# Altium PCB VALVEBOARD_Kun.PcbDoc (part 1 of 13)
Units mil, origin at the board's own origin, x right, y up, seen from the top; angles counter-clockwise.
Board outline 10923.41 x 5583.88 mil, 2 copper layers (Top Layer, Bottom Layer), stack 10.8 mil thick; 1127 components, 626 nets, 3503 pads, 1418 vias.
Unrouted connection lines stored in the file: 1.
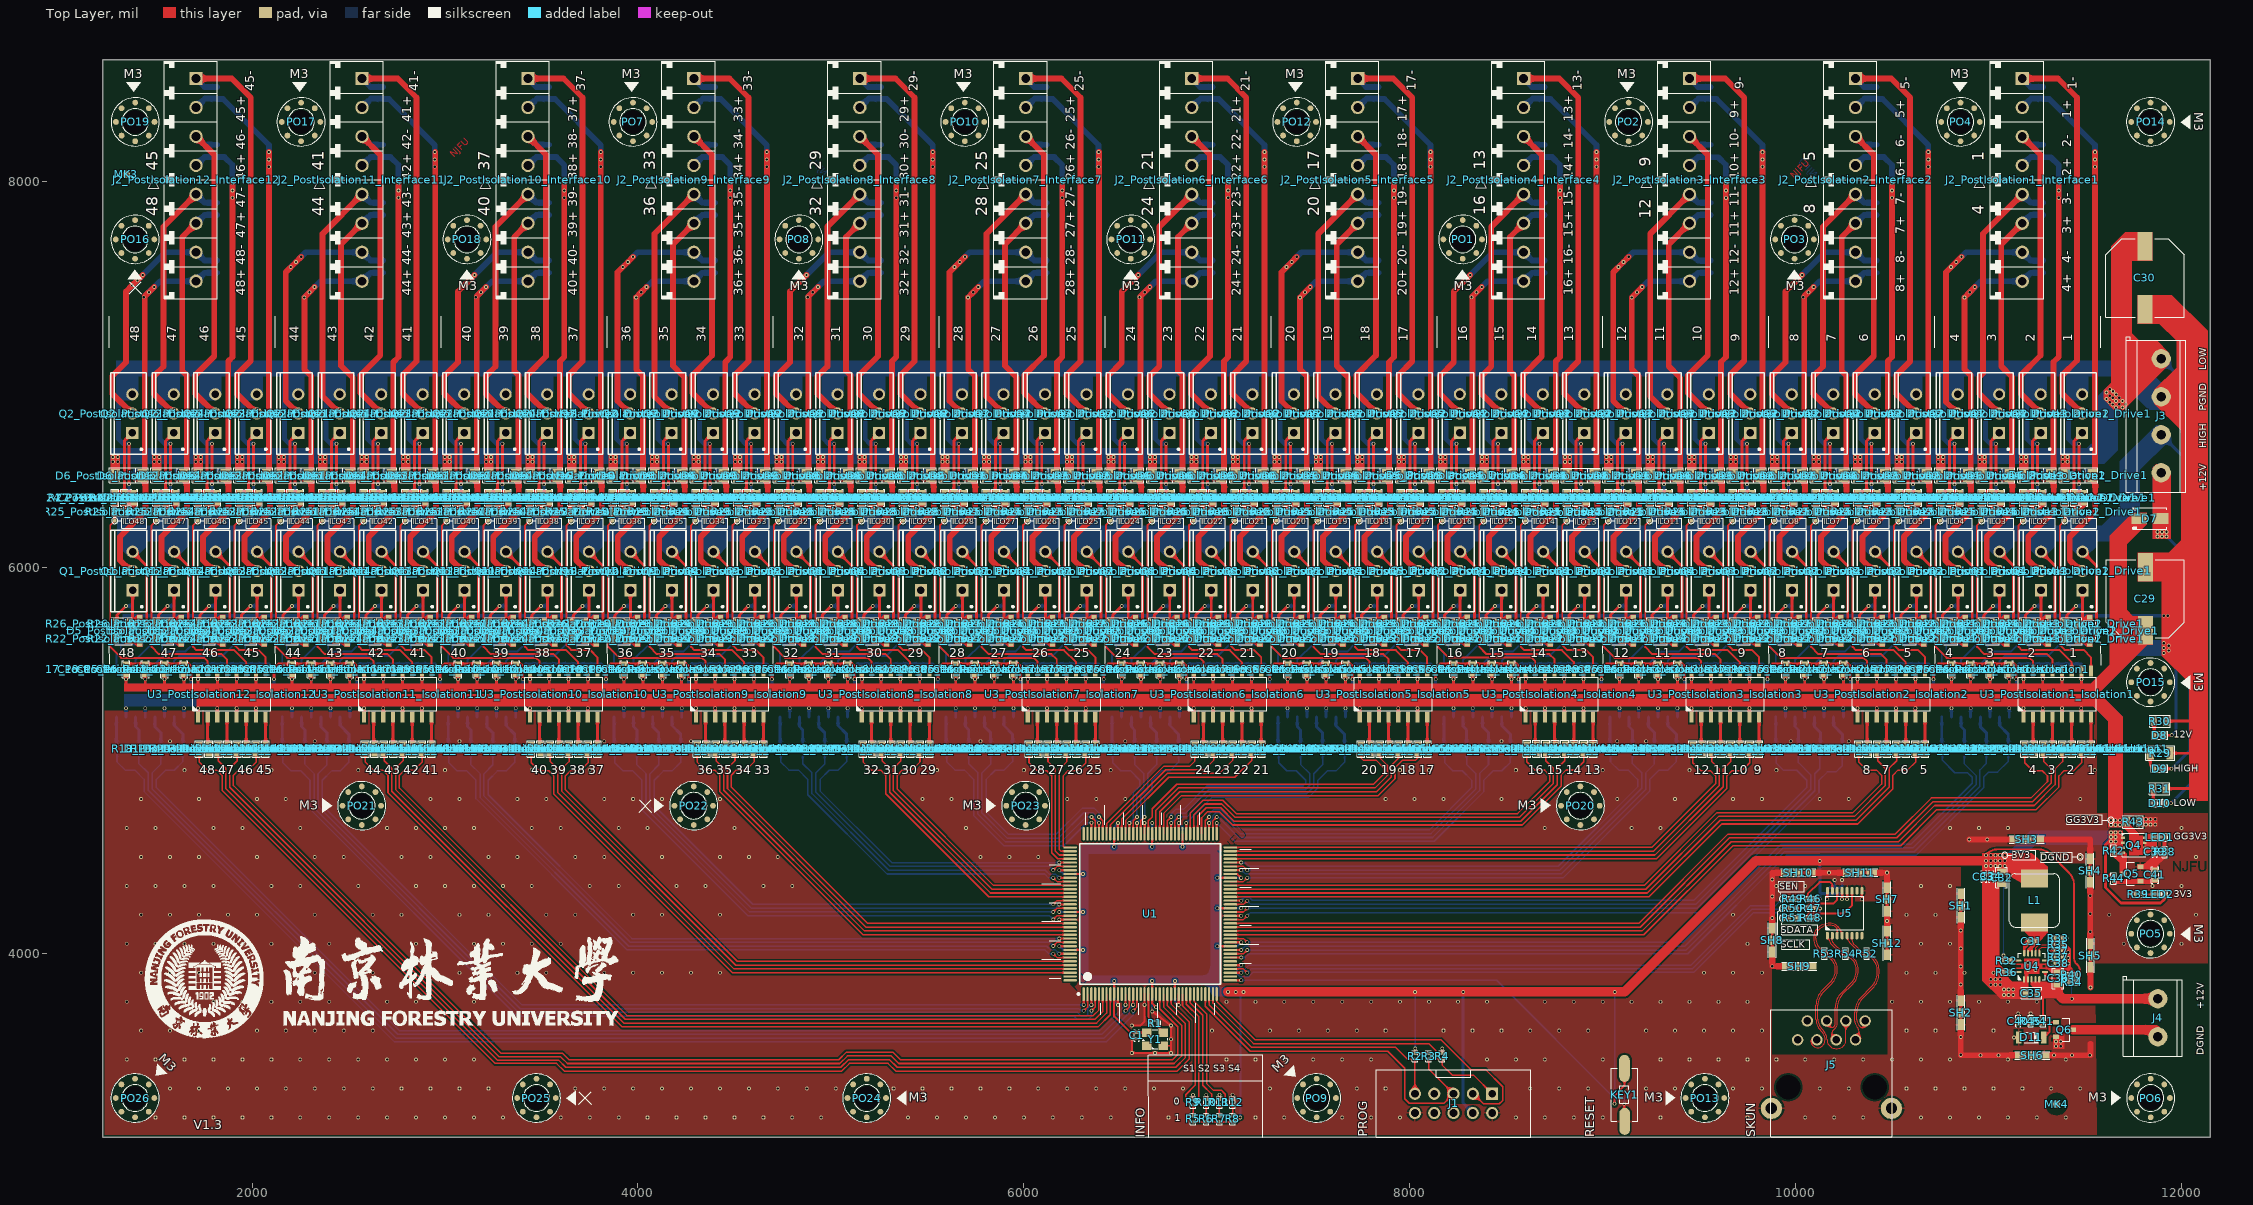
[diagram p0: Top Layer view]
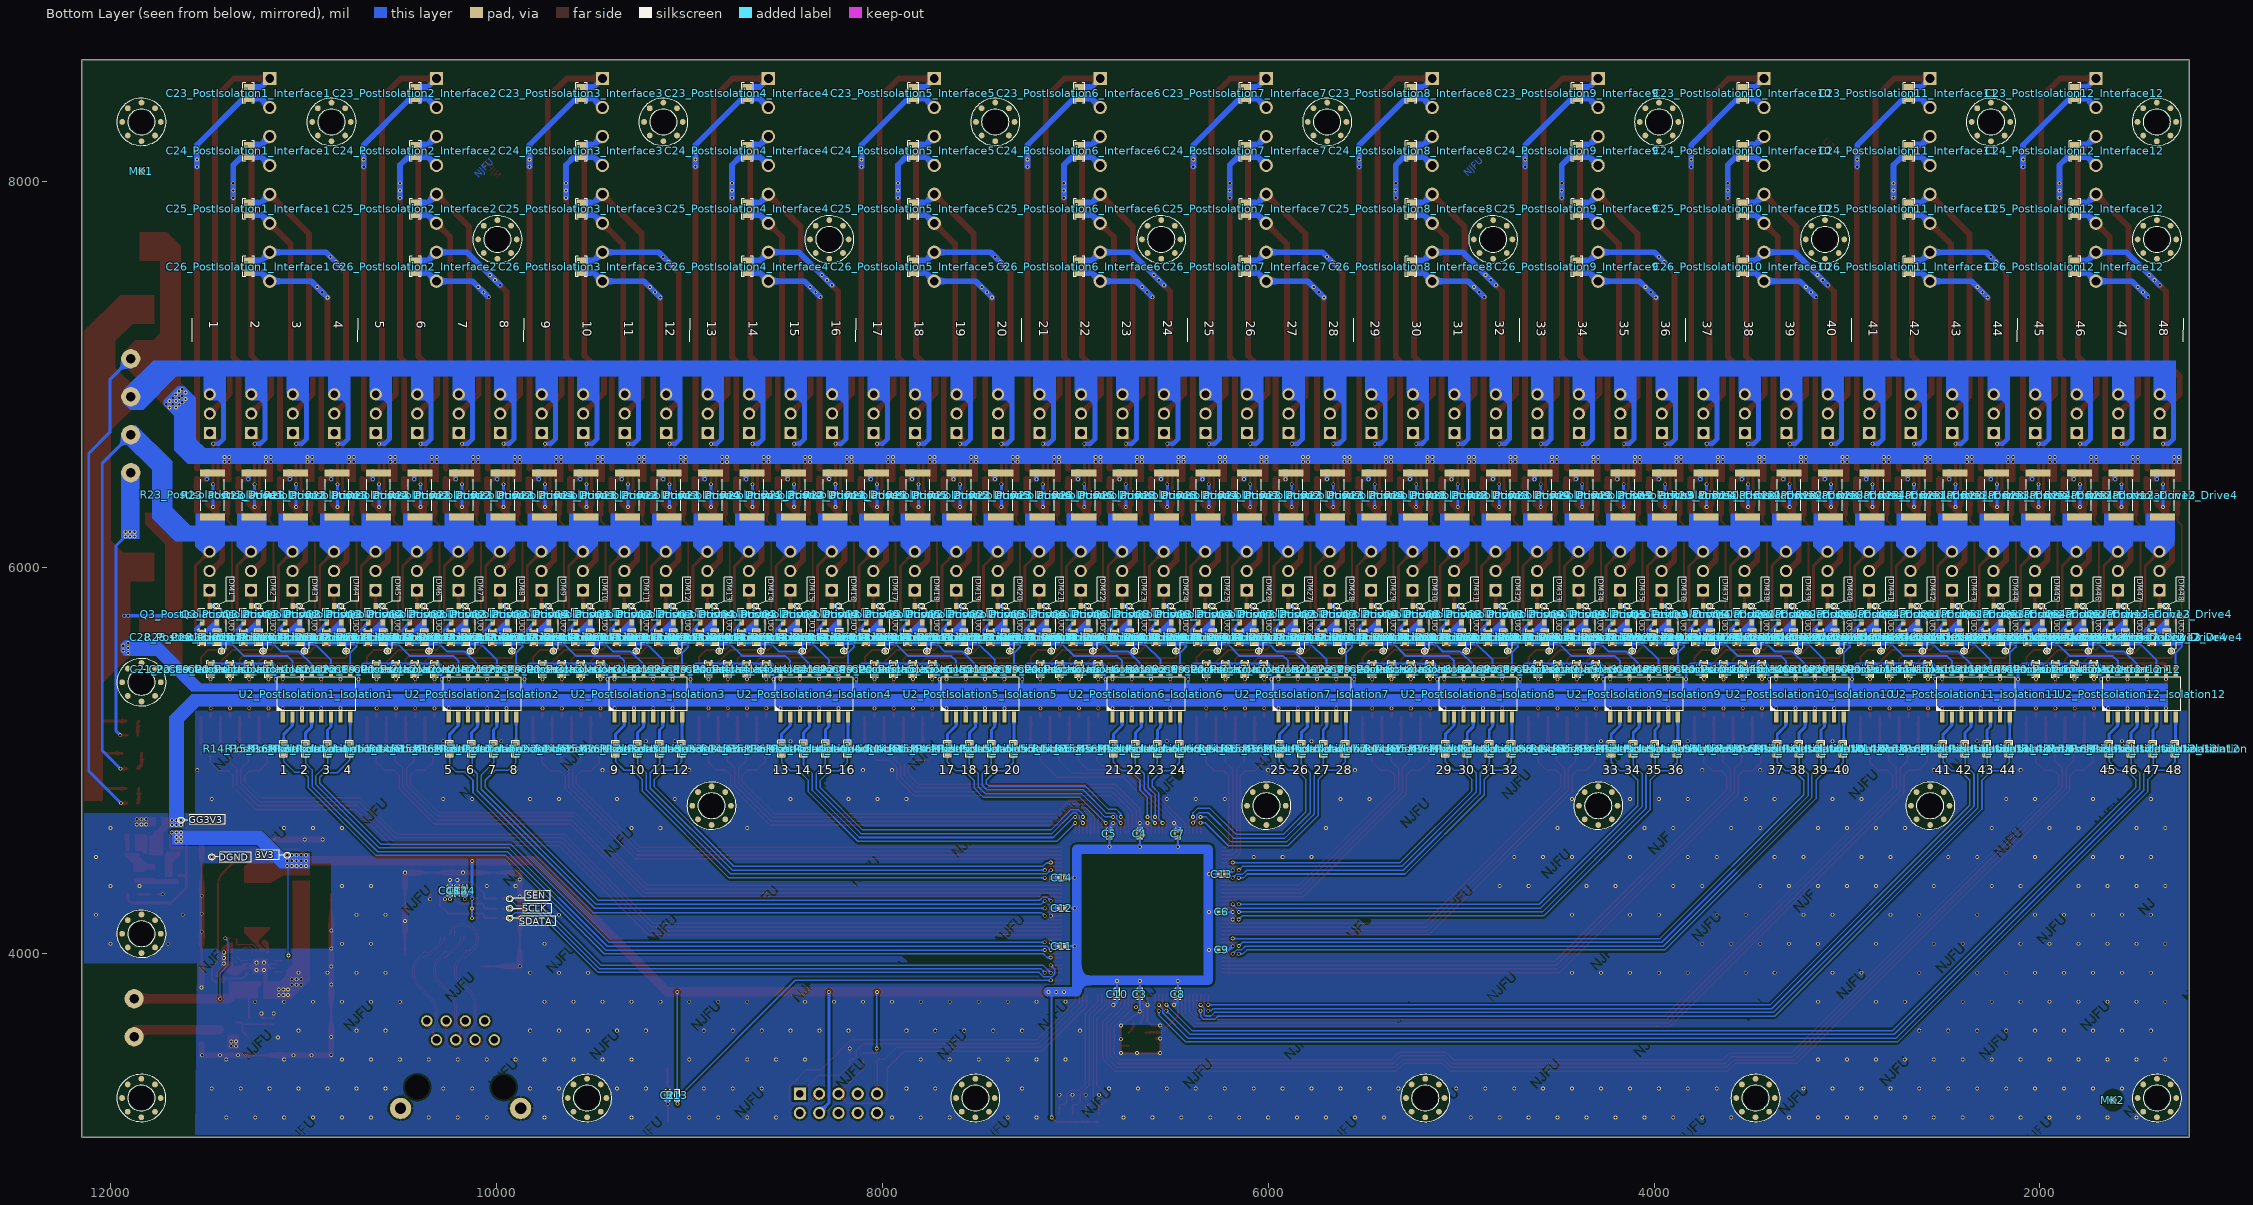
[diagram p1: Bottom Layer view, seen from below]

## Layer stack, top to bottom
Top Solder: solder mask 0.4, Solder Resist, Dk 3.5
Top Layer: signal copper 1.4
Core: core 8, Core-025, Dk 4.6
Bottom Layer: signal copper 1.4
Bottom Solder: solder mask 0.4, Solder Resist, Dk 3.5

## Board outline
1225.2,3047.69 1225.2,8631.57 12148.61,8631.57 12148.61,3047.69

## Design rules (kind name [scope] priority, off if disabled: settings)
BoardOutlineClearance [(OnLayer('Bottom Layer') OR OnLayer('Top Layer')) AND (IsTrack or IsArc or IsPoly or IsPolygon or IsVia)] p1: gap=11.81 ignorepadtopadclearanceinfootprint=FALSE
Clearance [All] p1: gap=5 ignorepadtopadclearanceinfootprint=TRUE except(10: Arc-Poly Track-Poly SMDPad-Poly THPad-Poly Via-Poly Fill-Poly Poly-Poly)
ComponentClearance [All] p1 off: gap=10 collisioncheckmode=3 verticalgap=10 showdistances=FALSE
DiffPairsRouting [All] p1: maxlimit=10 minlimit=5 mostfreqgap=5 toplayer_minwidth=5 toplayer_maxwidth=5 toplayer_prefwidth=5 bottomlayer_minwidth=5 bottomlayer_maxwidth=5 bottomlayer_prefwidth=5 maxuncoupledlength=500
HoleSize [All] p1: absolutevalues=TRUE maxlimit=248.03 minlimit=11.81 maxpercent=80.000 minpercent=20.000
HoleToHoleClearance [All] p1 off: gap=10 allowstackedmicrovias=TRUE
MinimumSolderMaskSliver [All] p1: minsoldermaskwidth=3.94
PolygonConnect [All] p1: thpad.connectstyle=Relief thpad.reliefconductorwidth=10 thpad.reliefentries=4 thpad.polygonreliefangle="90 Angle" thpad.airgapwidth=10 smdpad.connectstyle=Relief smdpad.reliefconductorwidth=10 smdpad.reliefentries=4 smdpad.polygonreliefangle="90 Angle" smdpad.airgapwidth=10 via.connectstyle=Direct via.reliefconductorwidth=10 via.reliefentries=4 via.polygonreliefangle="90 Angle" via.airgapwidth=10
RoomDefinition ValvePower [InComponentClass('ValvePower')] p1 off: confinementstyle=ConfineIn formatcopy=TRUE lockcomponents=FALSE outline 11598.58,4748.25 12144.83,4748.25 12144.83,7752.22 11598.58,7752.22
RoomDefinition PostIsolation3_Isolation3 [InComponentClass('PostIsolation3_Isolation3')] p2 off: confinementstyle=ConfineIn formatcopy=TRUE lockcomponents=FALSE outline 8998.77,5013.29 9849.15,5013.29 9849.15,5585.32 8998.77,5585.32
RoomDefinition PostIsolation12_Interface12 [InComponentClass('PostIsolation12_Interface12')] p3 off: confinementstyle=ConfineIn formatcopy=TRUE lockcomponents=FALSE outline 2108.34,7008.45 2108.34,8631.57 1258.28,8631.57 1258.28,7008.45
RoomDefinition PostIsolation12_Drive4 [InComponentClass('PostIsolation12_Drive4')] p4 off: confinementstyle=ConfineIn formatcopy=TRUE lockcomponents=FALSE outline 1462.74,5585.3 1462.74,7008.45 1258.28,7008.45 1258.28,5585.3
RoomDefinition PostIsolation11_Drive1 [InComponentClass('PostIsolation11_Drive1')] p5 off: confinementstyle=ConfineIn formatcopy=TRUE lockcomponents=FALSE outline 2967.84,5585.3 2967.84,7008.45 2763.38,7008.45 2763.38,5585.3
RoomDefinition PostIsolation2_Drive4 [InComponentClass('PostIsolation2_Drive4')] p6 off: confinementstyle=ConfineIn formatcopy=TRUE lockcomponents=FALSE outline 10063.35,5585.3 10063.35,7008.45 9858.88,7008.45 9858.88,5585.3
RoomDefinition PostIsolation1_Drive2 [InComponentClass('PostIsolation1_Drive2')] p7 off: confinementstyle=ConfineIn formatcopy=TRUE lockcomponents=FALSE outline 11353.44,5585.3 11353.44,7008.45 11148.98,7008.45 11148.98,5585.3
RoomDefinition PostIsolation1_Drive3 [InComponentClass('PostIsolation1_Drive3')] p8 off: confinementstyle=ConfineIn formatcopy=TRUE lockcomponents=FALSE outline 11138.29,5585.3 11138.29,7008.45 10933.83,7008.45 10933.83,5585.3
RoomDefinition PostIsolation1_Drive4 [InComponentClass('PostIsolation1_Drive4')] p9 off: confinementstyle=ConfineIn formatcopy=TRUE lockcomponents=FALSE outline 10923.51,5585.3 10923.51,7008.45 10719.05,7008.45 10719.05,5585.3
RoomDefinition PostIsolation2_Drive3 [InComponentClass('PostIsolation2_Drive3')] p10 off: confinementstyle=ConfineIn formatcopy=TRUE lockcomponents=FALSE outline 10278.36,5585.3 10278.36,7008.45 10073.9,7008.45 10073.9,5585.3
RoomDefinition PostIsolation2_Drive2 [InComponentClass('PostIsolation2_Drive2')] p11 off: confinementstyle=ConfineIn formatcopy=TRUE lockcomponents=FALSE outline 10493.38,5585.3 10493.38,7008.45 10288.91,7008.45 10288.91,5585.3
RoomDefinition PostIsolation2_Drive1 [InComponentClass('PostIsolation2_Drive1')] p12 off: confinementstyle=ConfineIn formatcopy=TRUE lockcomponents=FALSE outline 10708.39,5585.3 10708.39,7008.45 10503.93,7008.45 10503.93,5585.3
RoomDefinition PostIsolation3_Drive1 [InComponentClass('PostIsolation3_Drive1')] p13 off: confinementstyle=ConfineIn formatcopy=TRUE lockcomponents=FALSE outline 9848.33,5585.3 9848.33,7008.45 9643.87,7008.45 9643.87,5585.3
RoomDefinition PostIsolation2_Interface2 [InComponentClass('PostIsolation2_Interface2')] p14 off: confinementstyle=ConfineIn formatcopy=TRUE lockcomponents=FALSE outline 10708.95,7008.45 10708.95,8631.57 9858.88,8631.57 9858.88,7008.45
RoomDefinition PostIsolation10_Isolation10 [InComponentClass('PostIsolation10_Isolation10')] p15 off: confinementstyle=ConfineIn formatcopy=TRUE lockcomponents=FALSE outline 2978.4,5013.27 3828.78,5013.27 3828.78,5585.3 2978.4,5585.3
RoomDefinition Controller [InComponentClass('Controller')] p16 off: confinementstyle=ConfineIn formatcopy=TRUE lockcomponents=FALSE outline 6060,3047.69 9345,3047.69 9345,4656.37 6060,4656.37
RoomDefinition PostIsolation10_Interface10 [InComponentClass('PostIsolation10_Interface10')] p17 off: confinementstyle=ConfineIn formatcopy=TRUE lockcomponents=FALSE outline 3828.46,7008.45 3828.46,8631.57 2978.4,8631.57 2978.4,7008.45
RoomDefinition PostIsolation10_Drive4 [InComponentClass('PostIsolation10_Drive4')] p18 off: confinementstyle=ConfineIn formatcopy=TRUE lockcomponents=FALSE outline 3182.86,5585.3 3182.86,7008.45 2978.4,7008.45 2978.4,5585.3
RoomDefinition PostIsolation2_Isolation2 [InComponentClass('PostIsolation2_Isolation2')] p19 off: confinementstyle=ConfineIn formatcopy=TRUE lockcomponents=FALSE outline 9858.83,5013.29 10709.21,5013.29 10709.21,5585.32 9858.83,5585.32
RoomDefinition DigitalInterface [InComponentClass('DigitalInterface')] p20 off: confinementstyle=ConfineIn formatcopy=TRUE lockcomponents=FALSE outline 9695,3040.8 10680,3040.8 10680,4793.41 9695,4793.41
RoomDefinition PostIsolation1_Interface1 [InComponentClass('PostIsolation1_Interface1')] p21 off: confinementstyle=ConfineIn formatcopy=TRUE lockcomponents=FALSE outline 11573.13,7008.45 11573.13,8631.51 10723.07,8631.51 10723.07,7008.45
RoomDefinition DigitalPower [InComponentClass('DigitalPower')] p22 off: confinementstyle=ConfineIn formatcopy=TRUE lockcomponents=FALSE outline 10764.71,3041.12 12145.57,3041.12 12145.57,4795.74 10764.71,4795.74
RoomDefinition PostIsolation1_Isolation1 [InComponentClass('PostIsolation1_Isolation1')] p23 off: confinementstyle=ConfineIn formatcopy=TRUE lockcomponents=FALSE outline 10718.95,5013.27 11569.33,5013.27 11569.33,5585.3 10718.95,5585.3
RoomDefinition PostIsolation10_Drive1 [InComponentClass('PostIsolation10_Drive1')] p24 off: confinementstyle=ConfineIn formatcopy=TRUE lockcomponents=FALSE outline 3827.9,5585.3 3827.9,7008.45 3623.44,7008.45 3623.44,5585.3
RoomDefinition PostIsolation10_Drive3 [InComponentClass('PostIsolation10_Drive3')] p25 off: confinementstyle=ConfineIn formatcopy=TRUE lockcomponents=FALSE outline 3397.87,5585.3 3397.87,7008.45 3193.41,7008.45 3193.41,5585.3
RoomDefinition PostIsolation10_Drive2 [InComponentClass('PostIsolation10_Drive2')] p26 off: confinementstyle=ConfineIn formatcopy=TRUE lockcomponents=FALSE outline 3612.89,5585.3 3612.89,7008.45 3408.43,7008.45 3408.43,5585.3
RoomDefinition PostIsolation9_Drive4 [InComponentClass('PostIsolation9_Drive4')] p27 off: confinementstyle=ConfineIn formatcopy=TRUE lockcomponents=FALSE outline 4042.92,5585.3 4042.92,7008.45 3838.46,7008.45 3838.46,5585.3
RoomDefinition PostIsolation9_Interface9 [InComponentClass('PostIsolation9_Interface9')] p28 off: confinementstyle=ConfineIn formatcopy=TRUE lockcomponents=FALSE outline 4688.52,7008.51 4688.52,8631.57 3838.46,8631.57 3838.46,7008.51
RoomDefinition PostIsolation9_Isolation9 [InComponentClass('PostIsolation9_Isolation9')] p29 off: confinementstyle=ConfineIn formatcopy=TRUE lockcomponents=FALSE outline 3838.46,5013.27 4688.84,5013.27 4688.84,5585.3 3838.46,5585.3
RoomDefinition PostIsolation8_Drive3 [InComponentClass('PostIsolation8_Drive3')] p30 off: confinementstyle=ConfineIn formatcopy=TRUE lockcomponents=FALSE outline 5118,5585.3 5118,7008.45 4913.53,7008.45 4913.53,5585.3
RoomDefinition PostIsolation8_Drive4 [InComponentClass('PostIsolation8_Drive4')] p31 off: confinementstyle=ConfineIn formatcopy=TRUE lockcomponents=FALSE outline 4902.98,5585.3 4902.98,7008.45 4698.52,7008.45 4698.52,5585.3
RoomDefinition PostIsolation8_Interface8 [InComponentClass('PostIsolation8_Interface8')] p32 off: confinementstyle=ConfineIn formatcopy=TRUE lockcomponents=FALSE outline 5548.58,7008.45 5548.58,8631.57 4698.52,8631.57 4698.52,7008.45
RoomDefinition PostIsolation7_Isolation7 [InComponentClass('PostIsolation7_Isolation7')] p33 off: confinementstyle=ConfineIn formatcopy=TRUE lockcomponents=FALSE outline 5558.58,5013.27 6408.96,5013.27 6408.96,5585.3 5558.58,5585.3
RoomDefinition PostIsolation8_Drive1 [InComponentClass('PostIsolation8_Drive1')] p34 off: confinementstyle=ConfineIn formatcopy=TRUE lockcomponents=FALSE outline 5548.03,5585.3 5548.03,7008.45 5343.56,7008.45 5343.56,5585.3
RoomDefinition PostIsolation8_Drive2 [InComponentClass('PostIsolation8_Drive2')] p35 off: confinementstyle=ConfineIn formatcopy=TRUE lockcomponents=FALSE outline 5333.01,5585.3 5333.01,7008.45 5128.55,7008.45 5128.55,5585.3
RoomDefinition PostIsolation8_Isolation8 [InComponentClass('PostIsolation8_Isolation8')] p36 off: confinementstyle=ConfineIn formatcopy=TRUE lockcomponents=FALSE outline 4698.52,5013.27 5548.9,5013.27 5548.9,5585.3 4698.52,5585.3
RoomDefinition PostIsolation9_Drive3 [InComponentClass('PostIsolation9_Drive3')] p37 off: confinementstyle=ConfineIn formatcopy=TRUE lockcomponents=FALSE outline 4257.94,5585.3 4257.94,7008.45 4053.47,7008.45 4053.47,5585.3
RoomDefinition PostIsolation9_Drive2 [InComponentClass('PostIsolation9_Drive2')] p38 off: confinementstyle=ConfineIn formatcopy=TRUE lockcomponents=FALSE outline 4472.95,5585.3 4472.95,7008.45 4268.49,7008.45 4268.49,5585.3
RoomDefinition PostIsolation9_Drive1 [InComponentClass('PostIsolation9_Drive1')] p39 off: confinementstyle=ConfineIn formatcopy=TRUE lockcomponents=FALSE outline 4687.97,5585.3 4687.97,7008.45 4483.5,7008.45 4483.5,5585.3
RoomDefinition PostIsolation7_Drive3 [InComponentClass('PostIsolation7_Drive3')] p40 off: confinementstyle=ConfineIn formatcopy=TRUE lockcomponents=FALSE outline 5978.06,5585.3 5978.06,7008.45 5773.59,7008.45 5773.59,5585.3
RoomDefinition PostIsolation7_Drive4 [InComponentClass('PostIsolation7_Drive4')] p41 off: confinementstyle=ConfineIn formatcopy=TRUE lockcomponents=FALSE outline 5763.04,5585.3 5763.04,7008.45 5558.58,7008.45 5558.58,5585.3
RoomDefinition PostIsolation7_Interface7 [InComponentClass('PostIsolation7_Interface7')] p42 off: confinementstyle=ConfineIn formatcopy=TRUE lockcomponents=FALSE outline 6408.64,7008.51 6408.64,8631.57 5558.58,8631.57 5558.58,7008.51
RoomDefinition PostIsolation6_Isolation6 [InComponentClass('PostIsolation6_Isolation6')] p43 off: confinementstyle=ConfineIn formatcopy=TRUE lockcomponents=FALSE outline 6418.64,5013.27 7269.02,5013.27 7269.02,5585.3 6418.64,5585.3
RoomDefinition PostIsolation7_Drive1 [InComponentClass('PostIsolation7_Drive1')] p44 off: confinementstyle=ConfineIn formatcopy=TRUE lockcomponents=FALSE outline 6408.09,5585.3 6408.09,7008.45 6203.62,7008.45 6203.62,5585.3
RoomDefinition PostIsolation7_Drive2 [InComponentClass('PostIsolation7_Drive2')] p45 off: confinementstyle=ConfineIn formatcopy=TRUE lockcomponents=FALSE outline 6193.07,5585.3 6193.07,7008.45 5988.61,7008.45 5988.61,5585.3
RoomDefinition PostIsolation5_Drive2 [InComponentClass('PostIsolation5_Drive2')] p46 off: confinementstyle=ConfineIn formatcopy=TRUE lockcomponents=FALSE outline 7913.19,5585.3 7913.19,7008.45 7708.73,7008.45 7708.73,5585.3
RoomDefinition PostIsolation5_Drive3 [InComponentClass('PostIsolation5_Drive3')] p47 off: confinementstyle=ConfineIn formatcopy=TRUE lockcomponents=FALSE outline 7698.18,5585.3 7698.18,7008.45 7493.72,7008.45 7493.72,5585.3
RoomDefinition PostIsolation5_Drive4 [InComponentClass('PostIsolation5_Drive4')] p48 off: confinementstyle=ConfineIn formatcopy=TRUE lockcomponents=FALSE outline 7483.16,5585.3 7483.16,7008.45 7278.7,7008.45 7278.7,5585.3
RoomDefinition PostIsolation4_Interface4 [InComponentClass('PostIsolation4_Interface4')] p49 off: confinementstyle=ConfineIn formatcopy=TRUE lockcomponents=FALSE outline 8988.82,7008.45 8988.82,8631.57 8138.76,8631.57 8138.76,7008.45
RoomDefinition PostIsolation4_Isolation4 [InComponentClass('PostIsolation4_Isolation4')] p50 off: confinementstyle=ConfineIn formatcopy=TRUE lockcomponents=FALSE outline 8138.76,5013.72 8989.14,5013.72 8989.14,5585.74 8138.76,5585.74
RoomDefinition PostIsolation5_Drive1 [InComponentClass('PostIsolation5_Drive1')] p51 off: confinementstyle=ConfineIn formatcopy=TRUE lockcomponents=FALSE outline 8128.21,5585.3 8128.21,7008.45 7923.75,7008.45 7923.75,5585.3
RoomDefinition PostIsolation6_Drive1 [InComponentClass('PostIsolation6_Drive1')] p52 off: confinementstyle=ConfineIn formatcopy=TRUE lockcomponents=FALSE outline 7268.15,5585.3 7268.15,7008.45 7063.69,7008.45 7063.69,5585.3
RoomDefinition PostIsolation4_Drive2 [InComponentClass('PostIsolation4_Drive2')] p53 off: confinementstyle=ConfineIn formatcopy=TRUE lockcomponents=FALSE outline 8773.25,5585.3 8773.25,7008.45 8568.79,7008.45 8568.79,5585.3
RoomDefinition PostIsolation4_Drive3 [InComponentClass('PostIsolation4_Drive3')] p54 off: confinementstyle=ConfineIn formatcopy=TRUE lockcomponents=FALSE outline 8558.24,5585.3 8558.24,7008.45 8353.78,7008.45 8353.78,5585.3
RoomDefinition PostIsolation4_Drive4 [InComponentClass('PostIsolation4_Drive4')] p55 off: confinementstyle=ConfineIn formatcopy=TRUE lockcomponents=FALSE outline 8343.22,5585.74 8343.22,7008.89 8138.76,7008.89 8138.76,5585.74
RoomDefinition PostIsolation4_Drive1 [InComponentClass('PostIsolation4_Drive1')] p56 off: confinementstyle=ConfineIn formatcopy=TRUE lockcomponents=FALSE outline 8988.27,5585.16 8988.27,7008.32 8783.81,7008.32 8783.81,5585.16
RoomDefinition PostIsolation6_Drive4 [InComponentClass('PostIsolation6_Drive4')] p57 off: confinementstyle=ConfineIn formatcopy=TRUE lockcomponents=FALSE outline 6623.1,5585.3 6623.1,7008.45 6418.64,7008.45 6418.64,5585.3
RoomDefinition PostIsolation6_Interface6 [InComponentClass('PostIsolation6_Interface6')] p58 off: confinementstyle=ConfineIn formatcopy=TRUE lockcomponents=FALSE outline 7268.7,7008.45 7268.7,8631.57 6418.64,8631.57 6418.64,7008.45
RoomDefinition PostIsolation3_Drive2 [InComponentClass('PostIsolation3_Drive2')] p59 off: confinementstyle=ConfineIn formatcopy=TRUE lockcomponents=FALSE outline 9633.32,5585.3 9633.32,7008.45 9428.85,7008.45 9428.85,5585.3
RoomDefinition PostIsolation5_Isolation5 [InComponentClass('PostIsolation5_Isolation5')] p60 off: confinementstyle=ConfineIn formatcopy=TRUE lockcomponents=FALSE outline 7278.7,5013.27 8129.08,5013.27 8129.08,5585.3 7278.7,5585.3
RoomDefinition PostIsolation3_Drive3 [InComponentClass('PostIsolation3_Drive3')] p61 off: confinementstyle=ConfineIn formatcopy=TRUE lockcomponents=FALSE outline 9418.3,5585.3 9418.3,7008.45 9213.84,7008.45 9213.84,5585.3
RoomDefinition PostIsolation6_Drive2 [InComponentClass('PostIsolation6_Drive2')] p62 off: confinementstyle=ConfineIn formatcopy=TRUE lockcomponents=FALSE outline 7053.13,5585.3 7053.13,7008.45 6848.67,7008.45 6848.67,5585.3
RoomDefinition PostIsolation6_Drive3 [InComponentClass('PostIsolation6_Drive3')] p63 off: confinementstyle=ConfineIn formatcopy=TRUE lockcomponents=FALSE outline 6838.12,5585.3 6838.12,7008.45 6633.66,7008.45 6633.66,5585.3
RoomDefinition PostIsolation5_Interface5 [InComponentClass('PostIsolation5_Interface5')] p64 off: confinementstyle=ConfineIn formatcopy=TRUE lockcomponents=FALSE outline 8128.76,7008.51 8128.76,8631.57 7278.7,8631.57 7278.7,7008.51
RoomDefinition PostIsolation3_Drive4 [InComponentClass('PostIsolation3_Drive4')] p65 off: confinementstyle=ConfineIn formatcopy=TRUE lockcomponents=FALSE outline 9203.28,5585.3 9203.28,7008.45 8998.82,7008.45 8998.82,5585.3
RoomDefinition PostIsolation3_Interface3 [InComponentClass('PostIsolation3_Interface3')] p66 off: confinementstyle=ConfineIn formatcopy=TRUE lockcomponents=FALSE outline 9848.88,7008.45 9848.88,8631.51 8998.82,8631.51 8998.82,7008.45
RoomDefinition PostIsolation1_Drive1 [InComponentClass('PostIsolation1_Drive1')] p67 off: confinementstyle=ConfineIn formatcopy=TRUE lockcomponents=FALSE outline 11568.45,5585.43 11568.45,7008.58 11363.99,7008.58 11363.99,5585.43
RoomDefinition PostIsolation12_Isolation12 [InComponentClass('PostIsolation12_Isolation12')] p68 off: confinementstyle=ConfineIn formatcopy=TRUE lockcomponents=FALSE outline 1258.28,5013.27 2108.65,5013.27 2108.65,5585.3 1258.28,5585.3
RoomDefinition PostIsolation12_Drive3 [InComponentClass('PostIsolation12_Drive3')] p69 off: confinementstyle=ConfineIn formatcopy=TRUE lockcomponents=FALSE outline 1677.75,5585.3 1677.75,7008.45 1473.29,7008.45 1473.29,5585.3
RoomDefinition PostIsolation12_Drive2 [InComponentClass('PostIsolation12_Drive2')] p70 off: confinementstyle=ConfineIn formatcopy=TRUE lockcomponents=FALSE outline 1892.77,5585.3 1892.77,7008.45 1688.31,7008.45 1688.31,5585.3
RoomDefinition PostIsolation12_Drive1 [InComponentClass('PostIsolation12_Drive1')] p71 off: confinementstyle=ConfineIn formatcopy=TRUE lockcomponents=FALSE outline 2107.78,5585.3 2107.78,7008.45 1903.32,7008.45 1903.32,5585.3
RoomDefinition PostIsolation11_Isolation11 [InComponentClass('PostIsolation11_Isolation11')] p72 off: confinementstyle=ConfineIn formatcopy=TRUE lockcomponents=FALSE outline 2118.34,5013.27 2968.71,5013.27 2968.71,5585.3 2118.34,5585.3